# KiCad board NCU.kicad_pcb (continued)
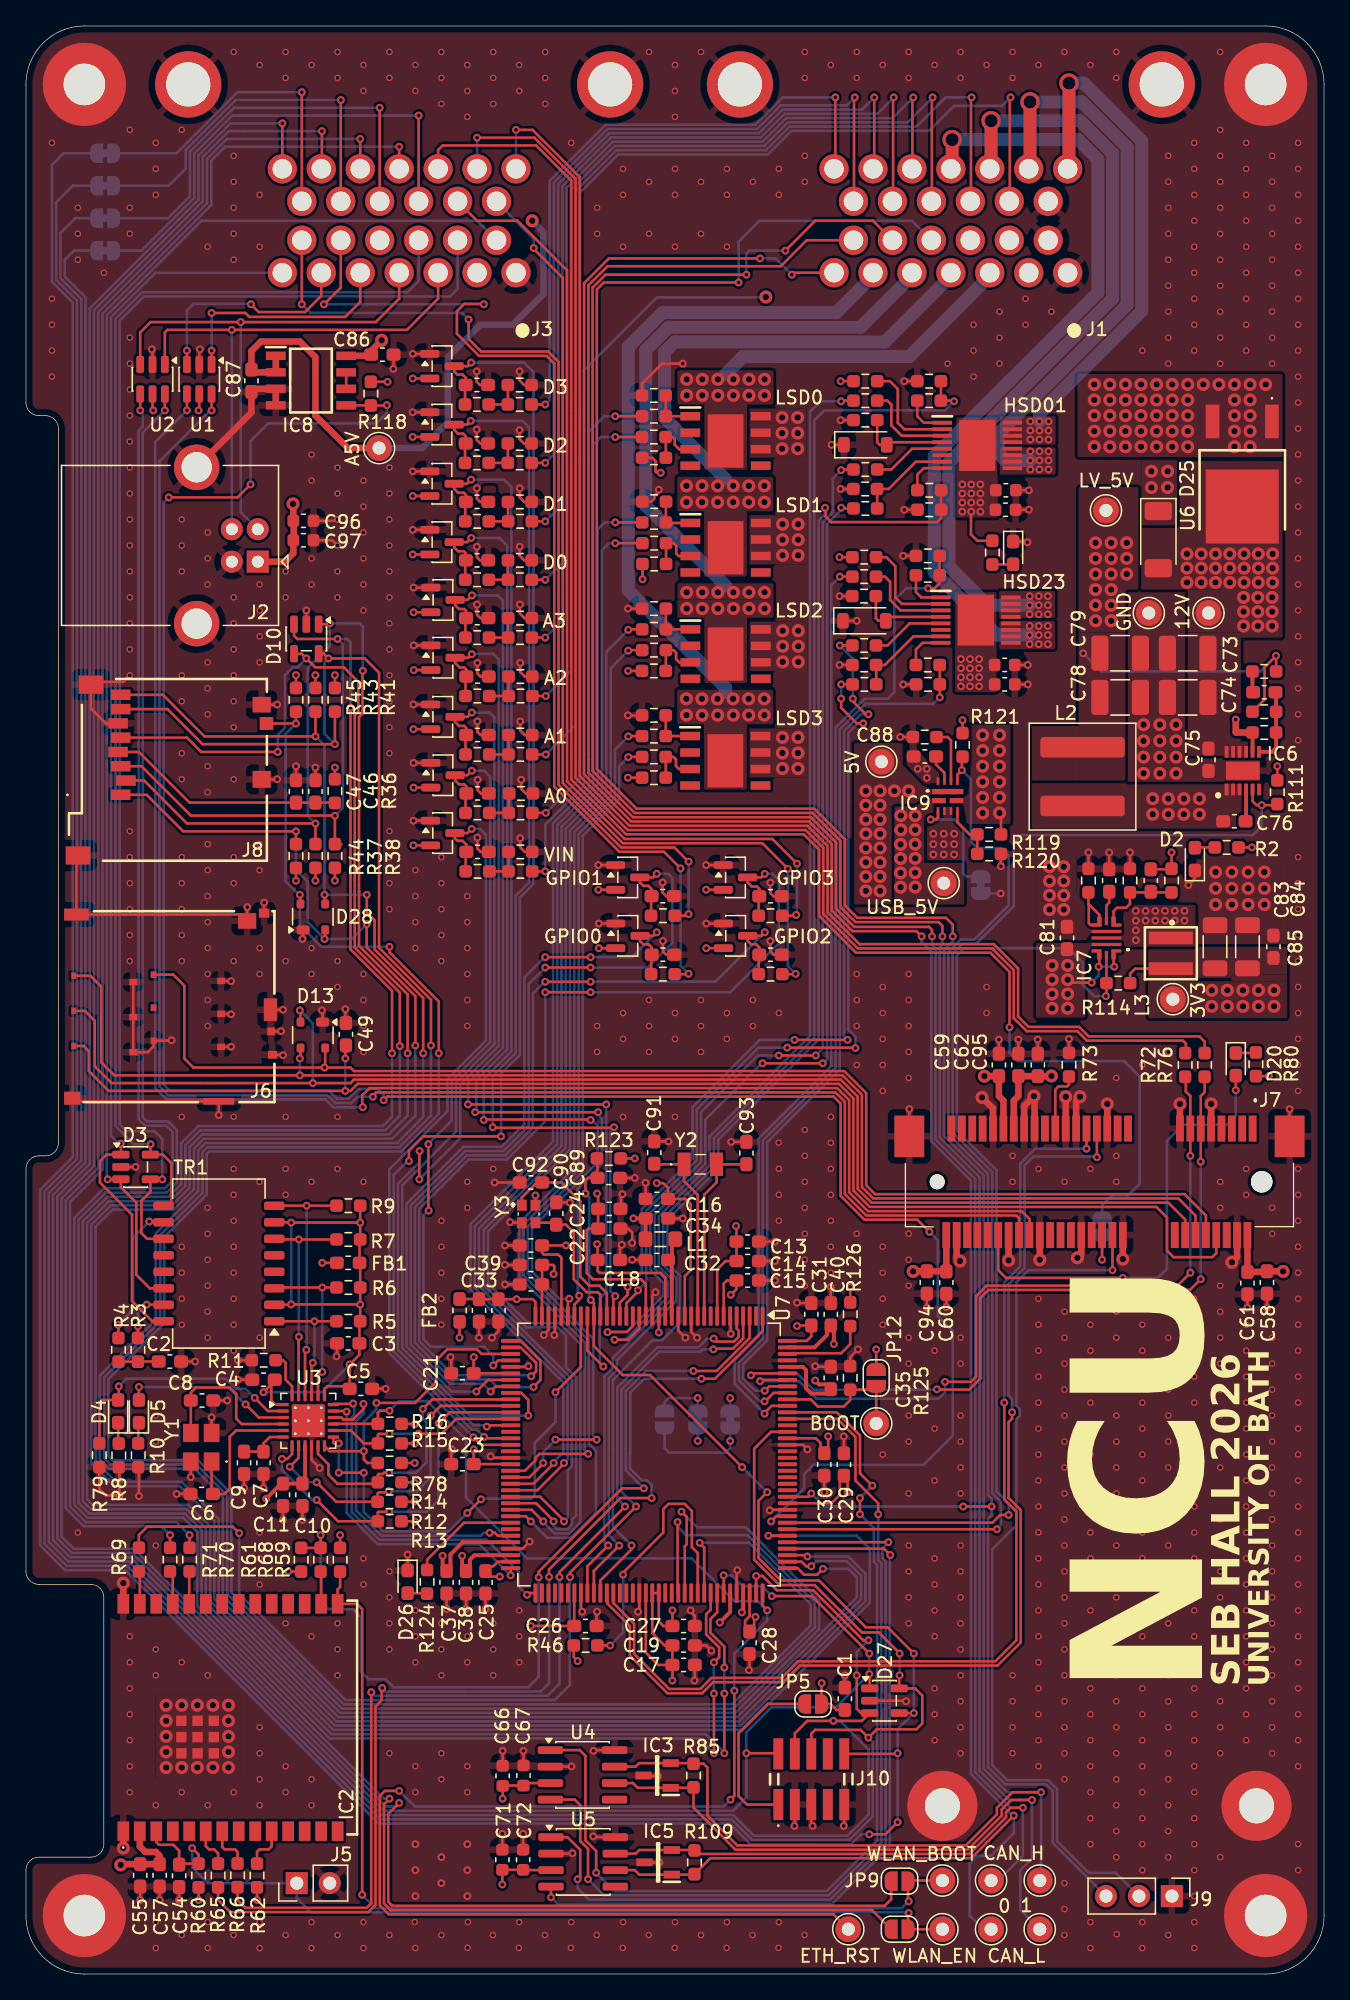
[diagram p0: board, top side]
## Routing (per net, layer and track width the routed paths; a pad name or vN(x,y) marks a point on that pad's centre or on a via; arc(x,y) is an arc through that point) (continued)
  vias: v1(2,141) v1(2,129) v1(2,127) v1(2,125) v1(2,123) v1(4,136) v1(4,134) v1(4,132) v1(4,34) v1(6,131) v1(8,142) v1(8,136) v1(8,134) v1(8,126) v1(8,124) v1(8,122) v1(8,120) v1(8,118) v1(8,116) v1(8,114) v1(8,112) v1(8,110) v1(8,108) v1(8,106) v1(8,104) v1(8,102) v1(8,88) v1(8,86) v1(8,84) v1(8,82) v1(8,80) v1(8,78) v1(8,26) v1(8,24) v1(8,22) v1(8,20) v1(8,18) v1(8,16) v1(8,14) v1(10,141) v1(10,139) v1(10,137) v1(10,43) v1(10,41) v1(10,33) v1(10,25) v1(10,23) v1(10,13) v1(10,4) v1(10,2) v1(12,142) v1(12,112) v1(12,110) v1(12,108) v1(12,100) v1(12,98) v1(12,94) v1(12,92) v1(12,86) v1(12,84) v1(12,82) v1(12,80) v1(12,78) v1(12,66) v1(12,56) v1(12,54) v1(12,52) v1(12,50) v1(12,24) v1(12,14) v1(12,3) v1(14,133) v1(14,111) v1(14,109) v1(14,107) v1(14,101) v1(14,99) v1(14,97) v1(14,93) v1(14,91) v1(14,87) v1(14,85) v1(14,83) v1(14,81) v1(14,79) v1(14,77) v1(14,75) v1(14,73) v1(14,59) v1(14,57) v1(14,55) v1(14,53) v1(14,51) v1(14,49) v1(14,23) v1(14,13) v1(14,4) v1(14,2) v1(16,148) v1(16,140) v1(16,138) v1(16,136) v1(16,134) v1(16,132) v1(16,106) v1(16,104) v1(16,102) v1(16,100) v1(16,98) v1(16,96) v1(16,92) v1(16,86) v1(16,84) v1(16,78) v1(16,66) v1(16,62) v1(16,60) v1(16,58) v1(16,56) v1(16,54) v1(16,52) v1(16,50) v1(16,48) v1(16,14) v1(16,3) v1(18,147) v1(18,137) v1(18,133) v1(18,107) v1(18,105) v1(18,103) v1(18,101) v1(18,87) v1(18,85) v1(18,79) v1(18,77) v1(18,61) v1(18,49) v1(18,34) v1(18,32) v1(18,30) v1(18,19) v1(18,17) v1(18,15) v1(18,13) v1(18,4) v1(18,2) v1(20,148) v1(20,146) v1(20,108) v1(20,106) v1(20,78) v1(20,66) v1(20,62) v1(20,60) v1(20,33) v1(20,27) v1(20,16) v1(20,14) v1(20,3) v1(22,147) v1(22,117) v1(22,115) v1(22,109) v1(22,107) v1(22,79) v1(22,77) v1(22,61) v1(22,26) v1(22,15) v1(22,13) v1(22,4) v1(22,2) v1(24,148) v1(24,146) v1(24,116) v1(24,114) v1(24,108) v1(24,106) v1(24,78) v1(24,76) v1(24,66) v1(24,62) v1(24,27) v1(24,25) v1(24,23) v1(24,3) v1(26,147) v1(26,145) v1(26,115) v1(26,113) v1(26,111) v1(26,109) v1(26,107) v1(26,105) v1(26,77) v1(26,75) v1(26,73) v1(26,71) v1(26,61) v1(26,32) v1(26,30) v1(26,4) v1(26,2) v1(28,148) v1(28,146) v1(28,116) v1(28,114) v1(28,112) v1(28,110) v1(28,108) v1(28,106) v1(28,104) v1(28,102) v1(28,100) v1(28,98) v1(28,96) v1(28,94) v1(28,92) v1(28,90) v1(28,88) v1(28,86) v1(28,84) v1(28,82) v1(28,31) v1(28,29) v1(28,27) v1(28,25) v1(28,17) v1(28,3) v1(29.95,4.01) v1(30,147) v1(30,145) v1(30,85) v1(30,83) v1(30,81) v1(30,79) v1(30,28) v1(30,26) v1(30,24) v1(30,16) v1(30,14) v1(30,2) v1(32,148) v1(32,146) v1(32,144) v1(32,86) v1(32,84) v1(32,82) v1(32,80) v1(32,78) v1(32,58) v1(32,56) v1(32,54) v1(32,52) v1(32,50) v1(32,27) v1(32,25.01) v1(32,23) v1(32,17) v1(32,15) v1(32,3) v1(34,147) v1(34,145) v1(34,143) v1(34,83) v1(34,81) v1(34,79) v1(34,77) v1(34,75) v1(34,73) v1(34,61) v1(34,59) v1(34,26) v1(34,24) v1(34,16) v1(34,14) v1(34.04,4.01) v1(34.02,2.02) v1(36,148) v1(36,146) v1(36,144) v1(36,62) v1(36,27) v1(36,25) v1(36,23) v1(35.97,3) v1(38,147) v1(38,145) v1(38,28) v1(38,26) v1(38,24) v1(38,4) v1(37.97,2.01) v1(40,148) v1(40,146) v1(40,144) v1(39.97,3) v1(42,141) v1(42,4) v1(41.97,2.01) v1(44,136) v1(44,134) v1(44,73) v1(44,71) v1(43.97,3) v1(46,139) v1(46,137) v1(46,133) v1(46,74) v1(46,72) v1(46,66) v1(46,4) v1(45.97,2.01) v1(48,148) v1(48,138) v1(48,134) v1(48,75) v1(48,73) v1(48,71) v1(47.97,3) v1(50,147) v1(50,145) v1(50,143) v1(50,139) v1(50,137) v1(50,133) v1(50,74) v1(50,72) v1(50,66) v1(50,4) v1(49.97,2.01) v1(52,148) v1(52,138) v1(52,134) v1(52,75) v1(52,73) v1(52,71) v1(52,3) v1(54,139) v1(54,137) v1(54,133) v1(54,74) v1(54,72) v1(54,4) v1(53.97,2.01) v1(56,138) v1(56,75) v1(56,73) v1(55.97,3) v1(58,139) v1(58,137) v1(58,74) v1(57.98,64.01) v1(58,62) v1(58,60) v1(58,58) v1(58,4) v1(57.97,2.01) v1(60,148) v1(60,146) v1(60,140) v1(60,138) v1(60,65) v1(60,63) v1(60,61) v1(60,59) v1(60,57) v1(60,55) v1(60,53) v1(59.97,3) v1(62,147) v1(62,66) v1(62,64) v1(62,62) v1(62,60) v1(62,58) v1(62,56) v1(62,54) v1(64,148) v1(64,146) v1(64,77) v1(64,75) v1(64,73) v1(64,70) v1(64,57) v1(66,147) v1(66,76) v1(66,74) v1(66,72) v1(66,70) v1(66,68) v1(66,56) v1(66,54) v1(66,52) v1(66,50) v1(66,40) v1(68,148) v1(68,146) v1(68,77) v1(68,75) v1(68,73) v1(68,71) v1(68,69) v1(68,57) v1(68,55) v1(68,53) v1(68,49) v1(68,47) v1(68,43) v1(68,41) v1(68,37) v1(68,33) v1(68,31) v1(68,29) v1(68,27) v1(70,147) v1(70,48) v1(70,42) v1(70,38) v1(70,32) v1(70,30) v1(70,28) v1(70,26) v1(70,22) v1(70,20) v1(70,18) v1(71,124) v1(72,148) v1(72,146) v1(72,49) v1(72,47) v1(72,43) v1(72,41) v1(72,39) v1(72,37) v1(72,33) v1(72,31) v1(72,29) v1(72,27) v1(72,25) v1(72,23) v1(72,21) v1(72,19) v1(72,17) v1(73,127) v1(73,125) v1(73,123) v1(74,147) v1(74,76) v1(74,74) v1(75,128) v1(75,126) v1(75,124) v1(76,148) v1(76,146) v1(76,63) v1(76,61) v1(76,23) v1(76,21) v1(76,19) v1(76,17) v1(77,129) v1(77,127) v1(78,147) v1(78,62) v1(78,52) v1(78,50) v1(78,48) v1(78,46) v1(78,44) v1(78,42) v1(78,40) v1(78,38) v1(78,36) v1(78,34) v1(78,32) v1(78,30) v1(78,28) v1(78,26) v1(78,24) v1(78,22) v1(78,20) v1(78,18) v1(78,16) v1(79,128) v1(80,148) v1(80,61) v1(80,51) v1(80,49) v1(80,47) v1(80,45) v1(80,43) v1(80,41) v1(80,39) v1(80,37) v1(80,35) v1(80,33) v1(80,31) v1(80,29) v1(80,27) v1(80,25) v1(80,23) v1(80,21) v1(80,19) v1(80,17) v1(80,15) v1(80,7) v1(80,5) v1(80,3) v1(82,147) v1(82,62) v1(82,52) v1(82,50) v1(82,48) v1(82,46) v1(82,44) v1(82,42) v1(82,40) v1(82,38) v1(82,36) v1(82,34) v1(82,32) v1(82,30) v1(82,28) v1(82,26) v1(82,24) v1(82,22) v1(82,20) v1(82,18) v1(82,16) v1(82,14) v1(82,12) v1(82,10) v1(82,4) v1(82,2) v1(84,148) v1(84,146) v1(84,69) v1(84,63) v1(84,61) v1(84,51) v1(84,49) v1(84,47) v1(84,45) v1(84,43) v1(84,41) v1(84,39) v1(84,37) v1(84,35) v1(84,33) v1(84,31) v1(84,29) v1(84,27) v1(84,25) v1(84,23) v1(84,21) v1(84,19) v1(84,17) v1(84,15) v1(84,13) v1(84,11) v1(84,9) v1(84.03,3.06) v1(86,125) v1(86,70) v1(86,52) v1(86,50) v1(86,48) v1(86,46) v1(86,44) v1(86,42) v1(86,40) v1(86,38) v1(86,36) v1(86,34) v1(86,32) v1(86,30) v1(86,28) v1(86,26) v1(86,24) v1(86,22) v1(86,20) v1(86,18) v1(86,16) v1(86,14) v1(86,12) v1(86,10) v1(86,8) v1(86,4) v1(86,2) v1(88,140) v1(88,138) v1(88,136) v1(88,134) v1(88,132) v1(88,130) v1(88,128) v1(88,126) v1(88,124) v1(88,71) v1(88,69) v1(88,51) v1(88,49) v1(88,47) v1(88,45) v1(88,43) v1(88,41) v1(88,39) v1(88,37) v1(88,35) v1(88,33) v1(88,31) v1(88,29) v1(88,27) v1(88,25) v1(88,23) v1(88,21) v1(88,19) v1(88,17) v1(88,15) v1(88,13) v1(88,11) v1(88,9) v1(88,3) v1(90,141) v1(90,139) v1(90,137) v1(90,135) v1(90,133) v1(90,131) v1(90,129) v1(90,127) v1(90,125) v1(90,52) v1(90,50) v1(90,48) v1(90,46) v1(90,44) v1(90,42) v1(90,40) v1(90,38) v1(90,36) v1(90,34) v1(90,32) v1(90,30) v1(90,28) v1(90,26) v1(90,24) v1(90,22) v1(90,20) v1(90,18) v1(90,16) v1(90,14) v1(90,12) v1(90,10) v1(90,8) v1(90,6) v1(90,4) v1(90,2) v1(92,148) v1(92,142) v1(92,140) v1(92,138) v1(92,136) v1(92,134) v1(92,132) v1(92,130) v1(92,128) v1(92,126) v1(92,124) v1(92,61) v1(92,59) v1(92,53) v1(92,51) v1(92,49) v1(92,47) v1(92,45) v1(92,43) v1(92,41) v1(92,39) v1(92,37) v1(92,35) v1(92,33) v1(92,31) v1(92,29) v1(92,27) v1(92,25) v1(92,23) v1(92,21) v1(92,19) v1(92,17) v1(92,9) v1(94,141) v1(94,139) v1(94,137) v1(94,135) v1(94,133) v1(94,131) v1(94,129) v1(94,127) v1(94,125) v1(94,62) v1(94,60) v1(94,50) v1(94,48) v1(94,46) v1(94,44) v1(94,42) v1(94,40) v1(94,38) v1(94,36) v1(94,34) v1(94,32) v1(94,30) v1(94,28) v1(94,26) v1(94,24) v1(94,22) v1(94,20) v1(94,18) v1(96,140) v1(96,138) v1(96,136) v1(96,134) v1(96,132) v1(96,130) v1(96,128) v1(96,126) v1(96,124) v1(96,59) v1(96,57) v1(96,49) v1(96,47) v1(96,45) v1(96,43) v1(96,41) v1(96,39) v1(96,37) v1(96,35) v1(96,33) v1(96,31) v1(96,29) v1(96,27) v1(96,25) v1(96,23) v1(96,21) v1(96,19) v1(96,17) v1(98,141) v1(98,139) v1(98,137) v1(98,135) v1(98,133) v1(98,131) v1(98,129) v1(98,127) v1(98,125) v1(98,123) v1(98,121) v1(98,119) v1(98,117) v1(98,115) v1(98,113) v1(98,111) v1(98,109) v1(98,107) v1(98,105) v1(98,103) v1(98,101) v1(98,99) v1(98,97) v1(98,95) v1(98,86) v1(98,84) v1(98,82) v1(98,80) v1(98,78) v1(98,76) v1(98,74) v1(98,72) v1(98,70) v1(98,68) v1(98,62) v1(98,60) v1(98,58) v1(98,56) v1(98,54) v1(98,52) v1(98,50) v1(98,48) v1(98,46) v1(98,44) v1(98,42) v1(98,40) v1(98,38) v1(98,36) v1(98,34) v1(98,32) v1(98,30) v1(98,28) v1(98,26) v1(98,24) v1(98,22) v1(98,20) v1(98,18) v1(98,16) v1(98,10) v1(98,8) v2(10.8,20.7) v2(10.8,19.5) v2(10.8,18.3) v2(10.8,17.1) v2(10.8,15.9) v2(12,20.7) v2(12,15.9) v2(13.2,20.7) v2(13.2,15.9) v2(14.4,20.7) v2(14.4,15.9) v2(15.6,20.7) v2(15.6,19.5) v2(15.6,18.3) v2(15.6,17.1) v2(15.6,15.9) v2(58.25,119.85) v2(58.25,118.65) v2(58.25,117.45) v2(58.28,111.64) v2(58.28,110.44) v2(58.28,109.24) v2(58.3,103.43) v2(58.3,102.23) v2(58.3,101.03) v2(58.27,95.22) v2(58.27,94.02) v2(58.27,92.82) v2(59.45,119.85) v2(59.45,118.65) v2(59.45,117.45) v2(59.48,111.64) v2(59.48,110.44) v2(59.48,109.24) v2(59.5,103.43) v2(59.5,102.23) v2(59.5,101.03) v2(59.47,95.22) v2(59.47,94.02) v2(59.47,92.82) v2(78.85,85.26) v2(78.85,84.16) v2(78.85,83.06) v2(78.85,81.96) v2(79.95,85.26) v2(79.95,84.16) v2(79.95,83.06) v2(79.95,81.96) v2(86.1,96.2) v2(86.1,94.95) v2(86.1,93.7) v2(86.1,92.45) v2(86.7,115.71) v2(86.7,114.46) v2(87.35,96.2) v2(87.35,94.95) v2(87.35,93.7) v2(87.35,92.45) v2(87.95,115.71) v2(87.95,114.46) v2(88.6,96.2) v2(88.6,94.95) v2(88.6,93.7) v2(88.6,92.45) v2(91.65,84.85) v2(91.65,83.6) v2(91.65,82.35) v2(92.9,84.85) v2(92.9,83.6) v2(92.9,82.35) v2(94.15,84.85) v2(94.15,83.6) v2(94.15,82.35) v2(95.4,84.85) v2(95.4,83.6) v2(95.4,82.35) v3(30,10) v3(30,8) v3(30,6) v3(32,9) v3(32,7) v3(34,10) v3(34,8) v3(34,6) v3(68.7,92.8) v3(69.4,92.8) v3(69.4,92.1) v3(69.9,87.8) v3(69.9,87) v3(69.9,86.2) v3(70.7,87.8) v3(70.7,87) v3(70.7,86.2) v3(71.5,87.8) v3(71.5,87) v3(71.5,86.2) v3(93.2,96.6)
/CARD_SD/SD_CD: length 173
  Top w0.2: R45.2 v3(20.8,96.29) J8.9 ; D28.4 21.15,83.05 v3(21.1,83.1) ; U7.99 52.25,32.85 v3(51.9,33.2) ; v3(31.8,70.9) 31.8,74.88 28,78.68 v3(28,79.1)
  Bottom w0.2: v3(51.9,33.2) 55.72,33.2 60.44,28.48 60.44,26.84 54.38,20.77 24.48,20.77 15.83,29.42 15.83,37 13.27,39.56 6.67,39.56 6.35,39.88 6.35,45.81 10.66,50.11 10.66,56.75 13.92,60.01 13.92,63.14 14.12,63.33 28.9,63.33 31.8,66.24 v3(31.8,70.9) ; v3(28,79.1) 27.7,79.1 22.75,79.1 21.1,80.75 v3(21.1,83.1) 21.04,83.1 20,84.14 20,95.49 v3(20.8,96.29)
/CARD_SD/SD_CLK: length 195.6
  Top w0.2: U7.111 60.1,32.25 v3(60.2,32.15) ; 25.33,84.2 25.33,96.93 25.6,97.2 25.6,99.5 24.49,100.61 22.29,100.61 v3(21.6,101.3) 21.24,101.66 D10.4 ; v3(28.8,71.45) 28.8,75.56 25.33,79.04 25.33,84.3 ; J8.5 12.4,95.2 13.5,94.1 v3(19.4,94.1)
  Bottom w0.2: v3(60.2,32.15) 63.35,32.15 64.67,30.83 64.67,28.72 55.08,19.13 23.8,19.13 14.19,28.74 14.19,34.46 12.52,36.12 5.13,36.12 4.71,36.55 4.71,57.82 6.41,59.52 11.11,59.52 12.28,60.69 12.28,63.82 13.44,64.97 27.67,64.97 28.8,66.1 v3(28.8,71.45) ; v3(19.4,94.1) 19.4,95.4 19.95,95.95 19.95,100.01 20.55,100.61 20.91,100.61 v3(21.6,101.3)
/CARD_SD/SD_CMD: length 217.8
  Top w0.2: D10.3 20.65,103.05 20.9,102.8 v3(24,102.8) ; 24.3,87 R38.2 v3(23.8,89.19) 23.79,89.2 12.7,89.2 8.9,93 J8.3 ; v3(25,97.5) 25,78.9 28.2,75.7 v3(28.2,70.9) ; U7.114 v3(57.2,33.75)
  Bottom w0.2: v3(57.2,33.75) 64,33.75 65,32.75 65,28.58 55.21,18.8 23.66,18.8 13.86,28.6 13.86,34.32 12.38,35.8 5,35.8 4.38,36.41 4.38,57.95 6.27,59.84 10.97,59.84 11.96,60.83 11.96,63.96 13.3,65.3 27.5,65.3 28.2,66 v3(28.2,70.9) ; 23.81,89.2 v3(23.8,89.19) 24.4,89.79 24.4,102.4 v3(24,102.8) 24.75,102.8 25,102.55 v3(25,97.5)
/CARD_SD/SD_DAT0: length 204.1
  Top w0.2: J8.7 10.9,97.4 13.6,94.7 v3(23.8,94.7) R41.2 ; D10.5 22.94,101.66 v3(23.3,101.3) 26.1,101.3 27.2,100.2 27.2,79.02 31.2,75.02 v3(31.2,71.5) ; U7.95 50.2,29.39 v3(50.2,34.8)
  Bottom w0.2: v3(50.2,34.8) 50.2,34.45 50.85,33.8 55.59,33.8 60.77,28.61 60.77,26.7 54.51,20.44 24.34,20.44 15.5,29.28 15.5,36.87 13.14,39.23 6.54,39.23 6.02,39.75 6.02,45.94 10.33,50.25 10.33,56.88 13.6,60.15 13.6,63.28 13.98,63.66 28.76,63.66 31.2,66.1 v3(31.2,71.5) ; v3(23.8,94.7) 23,95.5 23,101 v3(23.3,101.3)
/CARD_SD/SD_DAT1: length 191.6
  Top w0.2: v3(50.5,35.6) 50.9,35.2 50.9,33.08 50.75,32.93 U7.96 ; v3(26.26,83.1) 26.26,81.74 26.86,81.14 26.86,78.9 30.6,75.16 v3(30.6,70.9) ; D28.3 23.05,83.05 v3(23,83.1) ; R43.2 v3(22.3,95.3) 13.75,95.3 10.55,98.5 J8.8
  Bottom w0.2: v3(50.5,35.6) 51.7,34.4 55.45,34.4 61.1,28.75 61.1,26.56 54.65,20.11 24.2,20.11 15.17,29.15 15.17,36.73 13,38.9 6.4,38.9 5.69,39.61 5.69,46.08 10,50.39 10,57.02 13.27,60.28 13.27,63.41 13.84,63.99 28.59,63.99 30.6,66 v3(30.6,70.9) ; v3(26.26,83.1) v3(23,83.1) 23,94.6 v3(22.3,95.3)
/CARD_SD/SD_DAT2: length 175.4
  Top w0.2: v3(23,79.7) 23.05,79.75 D28.2 ; v3(61.4,31.2) 60.95,30.75 59.95,30.75 59.9,30.8 59.45,31.25 U7.109 ; v3(30,71.5) 30,75.29 26.25,79.04 26.25,80.84 v3(26.26,80.85) ; R44.2 v3(20.8,87.99) 12.11,87.99 9.3,90.8 J8.1
  Bottom w0.2: v3(30,71.5) 30,66.1 28.22,64.32 13.71,64.32 12.94,63.55 12.94,60.42 11.38,58.86 6.68,58.86 5.36,57.54 5.36,39.48 6.95,37.89 11.98,37.89 14.84,35.04 14.84,29.01 24.07,19.78 54.78,19.78 64.01,29.01 64.01,30.54 63.35,31.2 v3(61.4,31.2) ; v3(26.26,80.85) 26.25,80.85 25.1,79.7 v3(23,79.7) 21.7,81 21.7,84.14 20.8,85.04 v3(20.8,87.99)
/CARD_SD/SD_DAT3: length 208
  Top w0.2: D10.1 23.26,103.94 23.33,104 v3(23.4,104) ; J8.2 9.1,91.9 12.4,88.6 22.29,88.6 v3(22.3,88.59) R37.2 ; 25.93,100.33 25.93,97.06 25.66,96.79 25.66,83.35 25.66,83.35 25.66,79.17 29.4,75.43 v3(29.4,70.9) ; v3(60.5,31.4) 60.1,31.4 59.75,31.75 U7.110
  Bottom w0.2: v3(22.3,88.59) 21.7,89.19 21.7,100.55 23.4,102.25 v3(23.4,104) 25.7,104 25.95,103.75 v3(25.95,100.35) ; v3(29.4,70.9) 29.4,66.1 27.94,64.64 13.57,64.64 12.61,63.68 12.61,60.56 11.24,59.19 6.54,59.19 5.04,57.68 5.04,39.34 6.81,37.56 11.85,37.56 14.51,34.9 14.51,28.88 23.93,19.46 54.92,19.46 64.34,28.88 64.34,30.67 63.21,31.8 60.9,31.8 v3(60.5,31.4)
/CARD_SIM/USIM_CLK: length 105.3
  Top w0.2: J6.C3 4.97,76.86 5.8,76.03 5.8,70.2 6.8,69.2 v3(21.1,69.2) 21.85,69.2 21.85,69.2 22.35,69.2 22.35,69.2 62.9,69.2 64.4,67.7 64.4,60.6 65.28,59.72 88.78,59.72 90.1,58.4 J7.12 ; 21.2,71.25 D13.3 21.15,70.55 v3(21.1,70.5)
  Bottom w0.2: v3(21.1,70.5) v3(21.1,69.2)
/CARD_SIM/USIM_DATA: length 99.3
  Top w0.2: v3(23,69.8) 23.05,69.85 D13.4 23.1,71.25 ; v3(23,69.8) 12.9,69.8 12.2,70.5 12.2,76.1 11.35,76.95 J6.C7 ; v3(23,69.8) 25,69.8 25.27,69.53 63.04,69.53 64.73,67.84 64.73,60.74 65.41,60.05 89.25,60.05 90.9,58.4 J7.10
/CARD_SIM/USIM_RST: length 106.9
  Top w0.2: J7.14 89.3,58.1 88.01,59.39 65.14,59.39 64.07,60.46 64.07,67.56 62.76,68.87 25.27,68.87 25,68.6 v3(22.1,68.6) 6.6,68.6 5.3,69.9 5.3,73.4 4.54,74.16 J6.C2 ; D13.2 21.15,74.15 v3(21.1,74.2)
  Bottom w0.2: v3(21.1,74.2) 22.1,73.2 v3(22.1,68.6)
/CARD_SIM/USIM_VDD: length 106.8
  Top w0.2: J6.C1 4.44,71.46 4.84,71.06 4.84,69.53 6.37,68 v3(24.6,68) 25,68 25.54,68.54 62.63,68.54 63.74,67.43 63.74,60.33 65.01,59.07 87.08,59.07 87.9,58.25 87.9,55.7 88.4,55.2 91.4,55.2 91.7,55.5 J7.8 ; 24.6,71.5 v3(24.6,70.5)
  Bottom w0.2: v3(24.6,70.5) v3(24.6,68)
/CONN_A/AIN_0: length 94.3
  Top w0.2: v3(75.85,144.5) 75.79,144.44 75.79,136.41 75.85,136.35 ; R47.1 v3(40.05,89.41)
  Bottom w0.2: v3(40.05,89.41) 42.64,92 42.64,137.13 45.62,140.1 57.15,140.1 58.97,141.93 69.58,141.93 71.5,143.85 75.2,143.85 v3(75.85,144.5)
/CONN_A/AIN_1: length 86.9
  Top w0.2: v3(72.85,144.5) 72.8,144.45 72.8,136.51 72.79,136.5 ; R17.1 v3(40.05,93.91)
  Bottom w0.2: v3(72.85,144.5) 70.85,144.5 68.6,142.25 58.84,142.25 57.02,140.43 45.48,140.43 42.31,137.26 42.31,96.17 v3(40.05,93.91)
/CONN_A/AIN_2: length 79.9
  Top w0.2: v3(69.85,144.5) 69.79,144.44 69.79,136.54 J1.17 69.75,136.45 69.85,136.35 ; R39.1 v3(40.05,98.41)
  Bottom w0.2: v3(40.05,98.41) 41.98,100.34 41.98,137.4 45.34,140.76 56.88,140.76 58.7,142.58 67.93,142.58 v3(69.85,144.5)
/CONN_A/AIN_3: length 71.7
  Top w0.2: 68.35,138.85 68.25,138.95 J1.24 68.29,139.04 68.29,144.44 v3(68.35,144.5) ; R50.1 v3(40,102.91)
  Bottom w0.2: v3(68.35,144.5) 66.76,142.91 58.56,142.91 56.74,141.09 45.21,141.09 41.66,137.54 41.66,104.56 v3(40,102.91)
/CONN_A/CAN0_H: length 205.4
  Top w0.2: 63.85,133.35 63.7,133.5 60.15,133.5 58.15,131.5 44.8,131.5 43.32,130.02 43.32,92.52 46.77,89.07 60.46,89.07 62.41,87.12 62.41,82.02 63.81,80.63 69.57,80.63 69.8,80.4 v3(69.8,79.9) ; v3(76.8,12.8) 76.35,12.8 76.35,12.8 75.85,12.8 75.5,12.45 75.5,12.07 72.68,9.24 51.77,9.24 R109.1 51.46,9.55 IC5.2 47.25,9.55 46.97,9.27 U5.7
  Bottom w0.2: 73.13,36.97 73.13,15.54 75.86,12.8 76.35,12.8 76.35,12.8 v3(76.8,12.8) 76.8,9.1 74.9,7.2 TP16.1 ; 73.13,36.93 73.13,61.22 70.07,64.27 70.07,78.98 69.8,79.25 v3(69.8,79.9)
/CONN_A/CAN0_L: length 208
  Top w0.2: U5.6 46.9,8 47.25,7.65 IC5.1 51.46,7.65 R109.2 52.73,8.92 72.81,8.92 76.1,12.2 v3(76.1,12.2) ; v3(56.55,132.1) 44.9,132.1 43,130.2 43,92.38 46.63,88.74 60.33,88.74 62.08,86.99 62.08,81.89 63.67,80.3 68.6,80.3 v3(69,79.9) ; v3(59,130.85) 59.15,131 62.2,131 62.35,130.85
  Bottom w0.2: v3(59,130.85) 57.75,132.1 v3(56.55,132.1) ; TP17.1 73.75,3.45 72.7,4.5 72.7,8.5 73.3,9.1 74.35,9.1 76.1,10.85 v3(76.1,12.2) 76,12.2 72.8,15.4 72.8,61.08 69.74,64.14 69.74,78.75 69,79.49 v3(69,79.9)
/CONN_A/CAN1_H: length 220.9
  Top w0.2: v3(54.9,130.25) 44.51,130.25 43.98,129.72 43.98,92.79 47.04,89.73 60.74,89.73 63.1,87.36 63.1,82.26 64.04,81.33 70.87,81.33 71.4,80.8 v3(71.4,79.9) ; v3(78.2,14) 77.75,14 77.75,14 77.25,14 77.25,14 76,14 74.8,12.8 74.8,12.3 72.4,9.9 54.8,9.9 52.5,12.2 52.5,15.9 52.2,16.2 R85.1 51.39,16.24 47.22,16.24 46.96,15.97 U4.7
  Bottom w0.2: 69.85,133.35 69.85,133.4 68.25,135 56.5,135 54.9,133.4 54.9,130.25 v3(54.9,130.25) ; v3(71.4,79.9) 71.4,79.5 70.73,78.83 70.73,64.54 73.78,61.49 73.78,15.81 75.59,14 77.25,14 77.25,14 77.75,14 77.75,14 v3(78.2,14) 78.2,7.74 78,7.54
/CONN_A/CAN1_L: length 218.8
  Top w0.2: U4.6 46.76,14.7 47.12,14.34 IC3.1 51.39,14.34 R85.2 51.42,12.81 54.66,9.57 72.54,9.57 75.17,12.2 75.17,12.67 75.9,13.4 76.55,13.4 76.55,13.4 77.05,13.4 77.05,13.4 v3(77.5,13.4) ; 58.65,132.85 v3(58.5,132.7) 60.8,135 65.25,135 66.85,133.4 66.85,133.35 ; v3(55.5,130.85) 44.65,130.85 43.65,129.85 43.65,92.65 46.9,89.4 60.6,89.4 62.74,87.26 62.74,82.16 63.9,81 70.3,81 70.6,80.7 v3(70.6,79.9)
  Bottom w0.2: v3(58.5,132.7) 55.7,132.7 55.5,132.5 v3(55.5,130.85) ; v3(70.6,79.9) 70.6,79.28 70.4,79.08 70.4,64.41 73.46,61.35 73.46,15.67 75.73,13.4 76.3,13.4 ; 76.2,13.4 v3(77.5,13.4) 77.5,8.9 76.6,8 76.6,4.95 TP15.1
/CONN_A/DIN_0: length 68.3
  Top w0.2: v3(66.85,144.5) 66.8,144.45 66.8,136.55 J1.18 66.79,136.5 ; R63.1 v3(40,107.36)
  Bottom w0.2: v3(66.85,144.5) 65.59,143.24 58.43,143.24 56.61,141.42 45.07,141.42 41.33,137.67 41.33,108.68 v3(40,107.36)
/CONN_A/DIN_1: length 60.1
  Top w0.2: v3(65.35,144.5) 65.35,139.1 J1.25 65.29,139 ; R53.1 v3(40,111.86)
  Bottom w0.2: v3(65.35,144.5) 64.42,143.57 58.29,143.57 56.47,141.74 44.94,141.74 41,137.81 41,112.86 v3(40,111.86)
/CONN_A/DIN_2: length 57
  Top w0.2: R56.1 v3(40,116.36) ; v3(63.85,144.5) 63.79,144.44 63.79,136.54 J1.19 63.75,136.45 63.85,136.35
  Bottom w0.2: v3(63.85,144.5) 63.24,143.89 58.16,143.89 56.34,142.07 44.8,142.07 40.67,137.94 40.67,117.03 v3(40,116.36)
/CONN_A/DIN_3: length 48.8
  Top w0.2: v3(62.35,144.5) 62.35,139.1 J1.26 62.29,139 ; R74.1 v3(40,120.86)
  Bottom w0.2: v3(62.35,144.5) 58.3,144.5 56.2,142.4 44.66,142.4 40.34,138.08 40.34,121.2 v3(40,120.86) 39.9,120.86
/CONN_A/HSD_0: length 38.9
  Top w1: v4(80.35,145.6) 80.35,139.06 80.29,139
  Bottom w1: v3(78.07,119.55) 78.07,120.18 85.96,128.06 85.96,141.13 81.49,145.6 v4(80.35,145.6)
  vias: v3(77.38,119.55) v3(77.38,118.85) v3(77.38,118.15) v3(78.07,118.85) v3(78.07,118.15) v3(78.78,119.55) v3(78.78,118.85) v3(78.78,118.15)
/CONN_A/HSD_1: length 44.5
  Top w1: v4(77.35,144.15) 77.35,139.06 77.29,139
  Bottom w1: v3(77.38,116.55) 75.45,116.55 74.9,117.1 74.9,118.6 84.83,128.53 84.83,140.67 81.35,144.15 v4(77.35,144.15)
  vias: v3(77.38,117.25) v3(77.38,115.85) v3(78.07,117.25) v3(78.07,116.55) v3(78.07,115.85) v3(78.78,117.25) v3(78.78,116.55) v3(78.78,115.85)
/CONN_A/HSD_2: length 58.6
  Top w1: 74.29,139 74.35,139.06 v4(74.35,142.7)
  Bottom w1: v4(74.35,142.7) 81.2,142.7 83.7,140.2 83.7,129 76.18,121.47 76.17,121.47 71.1,116.4 71.1,108.4 74.1,105.4 v3(77.33,105.4)
  vias: v3(77.33,106.1) v3(77.33,104.7) v3(78.03,106.1) v3(78.03,105.4) v3(78.03,104.7) v3(78.72,106.1) v3(78.72,105.4) v3(78.72,104.7)
/CONN_A/HSD_3: length 60.5
  Top w1: 71.29,139 71.35,139.06 v4(71.35,141.25)
  Bottom w1: v3(77.33,103.1) 74.8,103.1 69.97,107.93 69.97,116.87 75.7,122.6 75.71,122.6 82.57,129.46 82.57,139.73 81.05,141.25 v4(71.35,141.25)
  vias: v3(77.33,103.8) v3(77.33,102.4) v3(78.03,103.8) v3(78.03,103.1) v3(78.03,102.4) v3(78.72,103.8) v3(78.72,103.1) v3(78.72,102.4)
/CONN_A/LSD_0: length 24.3
  Bottom w1: 53.9,123.2 55.24,124.54 68.04,124.54 74.25,130.75 J1.3 74.35,130.9 74.35,130.51
  vias: v2(50.9,122.79) v2(50.9,121.56) v2(52.1,122.79) v2(52.1,121.56) v2(53.3,122.79) v2(53.3,121.56) v2(54.5,122.79) v2(54.5,121.56) v2(55.7,122.79) v2(55.7,121.56) v2(56.9,122.79) v2(56.9,121.56)
/CONN_A/LSD_1: length 36.9
  Bottom w1: 71.35,130.58 71.35,130.9 J1.4 71.25,130.75 66.17,125.67 49.97,125.67 49.2,124.9 49.2,119.8 53.9,115.1
  vias: v2(50.88,114.59) v2(50.88,113.33) v2(52.08,114.59) v2(52.08,113.33) v2(53.28,114.59) v2(53.28,113.33) v2(54.48,114.59) v2(54.48,113.33) v2(55.68,114.59) v2(55.68,113.33) v2(56.88,114.59) v2(56.88,113.33)
/CONN_A/LSD_2: length 44.6
  Bottom w0.2: 67.96,130.85 68.1,130.85 J1.5
  Bottom w1: 68.35,130.6 68.35,130.9 J1.5 68.25,130.75 64.3,126.8 49.5,126.8 47.75,125.05 47.75,113.05 53.9,106.9
  vias: v2(50.9,106.39) v2(50.9,105.14) v2(52.1,106.39) v2(52.1,105.14) v2(53.3,106.39) v2(53.3,105.14) v2(54.5,106.39) v2(54.5,105.14) v2(55.7,106.39) v2(55.7,105.14) v2(56.9,106.39) v2(56.9,105.14)
/CONN_A/LSD_3: length 51.1
  Bottom w1: 53.9,98.7 53.9,99.04 46.4,106.54 46.4,125.3 49.03,127.93 62.43,127.93 65.25,130.75 J1.6
  vias: v2(50.87,98.19) v2(50.88,96.93) v2(52.07,98.19) v2(52.08,96.93) v2(53.27,98.19) v2(53.28,96.93) v2(54.47,98.19) v2(54.48,96.93) v2(55.67,98.19) v2(55.68,96.93) v2(56.87,98.19) v2(56.88,96.93)
/CONN_B/ESP_BOOT: length 205.4
  Top w0.2: JP9.1 66.65,5.75 66.15,5.25 28.23,5.25 27.91,5.57 27.91,12.33 v3(28.75,13.17) ; J3.26 v3(19.75,142.5)
  Bottom w0.2: v3(28.75,13.17) 28.48,12.9 27.71,12.9 8.19,32.42 3.54,32.42 2.41,33.54 2.41,59.86 4.91,62.36 4.91,128.25 13.29,136.63 13.29,140.04 15.76,142.5 v3(19.75,142.5)
/CONN_B/ESP_EN: length 205.6
  Top w0.2: J3.25 22.8,139.05 v3(22.8,141.9) ; JP10.1 65.18,4.92 28.09,4.92 27.58,5.43 27.58,13.08 28,13.5 v3(28,13.5)
  Bottom w0.2: 16.8,141.9 15.62,141.9 13.62,139.9 13.62,136.49 5.24,128.11 5.24,62.22 2.74,59.72 2.74,33.68 3.67,32.75 8.32,32.75 27.57,13.5 v3(28,13.5) ; 16.7,141.9 v3(22.8,141.9) 22.7,141.9
/CONN_B/ESP_RX: length 133
  Top w0.2: J3.24 v3(25.75,141.3) ; R71.2 v3(11.1,33.8)
  Bottom w0.2: v3(11.1,33.8) 10.43,34.47 4.46,34.47 3.07,35.87 3.07,59.58 5.57,62.08 5.57,127.98 13.95,136.36 13.95,139.76 15.48,141.3 v3(25.75,141.3)
/CONN_B/ESP_TX: length 135.8
  Top w0.2: J3.23 v3(28.75,140.7) ; R70.2 v3(12.6,33.8)
  Bottom w0.2: v3(12.6,33.8) 11.6,34.8 4.6,34.8 3.4,36 3.4,59.45 5.9,61.95 5.9,127.84 14.27,136.22 14.27,139.63 15.35,140.7 25.5,140.7 25.5,140.7 26,140.7 26,140.7 v3(28.75,140.7)
/CONN_B/ETH_RXM: length 99.6
  Top w0.2: TR1.9 11.01,59.15 11.2,59.34 11.2,62.44 10.55,63.09 D3.5 9.59,63.88 v3(9.6,63.89)
  Bottom w0.2: J3.10 30.25,130.35 29.4,129.5 8.95,129.5 6.9,127.45 6.9,65.3 8.31,63.89 v3(9.6,63.89)
/CONN_B/ETH_RXP: length 106.7
  Top w0.2: v3(10.5,61.19) D3.4 9.59,60.23 8.9,59.54 8.9,57.04 9.33,56.61 TR1.11
  Bottom w0.2: v3(10.5,61.19) 10.5,64.3 9.9,64.9 7.76,64.9 7.23,65.44 7.23,127.32 9.08,129.17 32.67,129.17 33.25,129.75 J3.9
/CONN_B/ETH_TXM: length 111.6
  Top w0.2: v3(6.3,61.19) D3.3 7.31,60.58 8.5,59.39 8.5,53.84 9.54,52.8 TR1.14
  Bottom w0.2: v3(6.3,61.19) 6.22,61.27 6.22,127.7 13.52,135 34.75,135 J3.8
/CONN_B/ETH_TXP: length 96.2
  Top w0.2: v3(7.3,63.94) 7.31,63.93 D3.1 6.2,63.09 5.7,62.59 5.7,60.94 8.17,58.47 8.17,51.82 9.73,50.26 TR1.16
  Bottom w0.2: J3.7 9.98,131 6.55,127.57 6.55,64.55 7.16,63.94 v3(7.3,63.94)
/CONN_B/GPIO_0: length 84.7
  Top w0.2: v3(22.95,128.57) 22.97,128.55 22.98,128.55 23.07,128.64 23.07,128.67 24.25,129.85 J3.12 ; R108.1 51.02,76.99 v3(51.04,77.02) ; v3(35.27,128.57) 35.24,128.6 33.76,128.6 33.2,128.04 33.2,126.3 34.9,124.6 40.1,124.6 40.7,124 40.7,91.43 45.71,86.42 49.14,86.42 v3(50.43,85.13)
  Bottom w0.2: v3(35.27,128.57) v3(22.95,128.57) ; v3(50.43,85.13) 50.43,77.63 v3(51.04,77.02)
/CONN_B/GPIO_1: length 77.9
  Top w0.2: v3(34.1,127.4) 34.1,125.9 35.07,124.93 40.24,124.93 41.03,124.14 41.03,91.57 45.85,86.74 49.46,86.74 ; R34.1 50.92,81.49 v3(51.04,81.61) ; 49.46,86.74 49.96,86.74 v3(51.05,85.65) ; 49.46,86.74 49.76,86.74 ; J3.13 21.25,128.57 v3(21.25,128.57)
  Bottom w0.2: v3(34.1,127.4) 33.6,127.9 21.92,127.9 21.25,128.57 v3(21.25,128.57) ; v3(51.05,85.65) 51.05,81.62 v3(51.04,81.61)
/CONN_B/GPIO_2: length 76.4
  Top w0.2: R35.1 59.27,76.99 v3(59.29,77.02) ; v3(39.12,132.9) 39.12,132.83 41.36,130.59 41.36,91.7 45.98,87.07 56.73,87.07 v3(58.7,85.1)
  Bottom w0.2: v3(39.12,132.9) 39.12,133.6 36.25,136.47 J3.14 ; v3(59.29,77.02) 58.7,77.61 v3(58.7,85.1)
/CONN_B/GPIO_3: length 75.6
  Top w0.2: R84.1 59.27,81.49 v3(59.33,81.55) 59.27,81.62 ; 33.2,136.55 J3.15 34.75,135 37.87,135 41.68,131.18 41.68,91.84 46.12,87.4 57.5,87.4 v3(59.4,85.5)
  Bottom w0.2: v3(59.33,81.55) 59.4,81.62 v3(59.4,85.5)
/CONN_B/PCIE_RST: length 131.8
  Top w0.2: J3.22 31.75,140.45 32.1,140.8 39.3,140.8 42.01,138.09 42.01,91.97 46.22,87.76 59.92,87.76 61.1,86.58 61.1,81.48 63.94,78.64 74.29,78.64 75.77,77.16 v3(75.77,72.9)
  Bottom w0.2: JP13.2 82.9,59.2 83.65,59.95 84.9,59.95 85.8,60.85 85.8,69.1 84.6,70.3 76.4,70.3 75.77,70.93 v3(75.77,72.9)
